# Altium PCB circuit2_pcb_ver2.PcbDoc
Units mil, origin at the board's own origin, x right, y up, seen from the top; angles counter-clockwise.
Board outline 1945 x 1950 mil, 2 copper layers (Top Layer, Bottom Layer); 30 components, 57 nets, 67 pads, 0 vias.
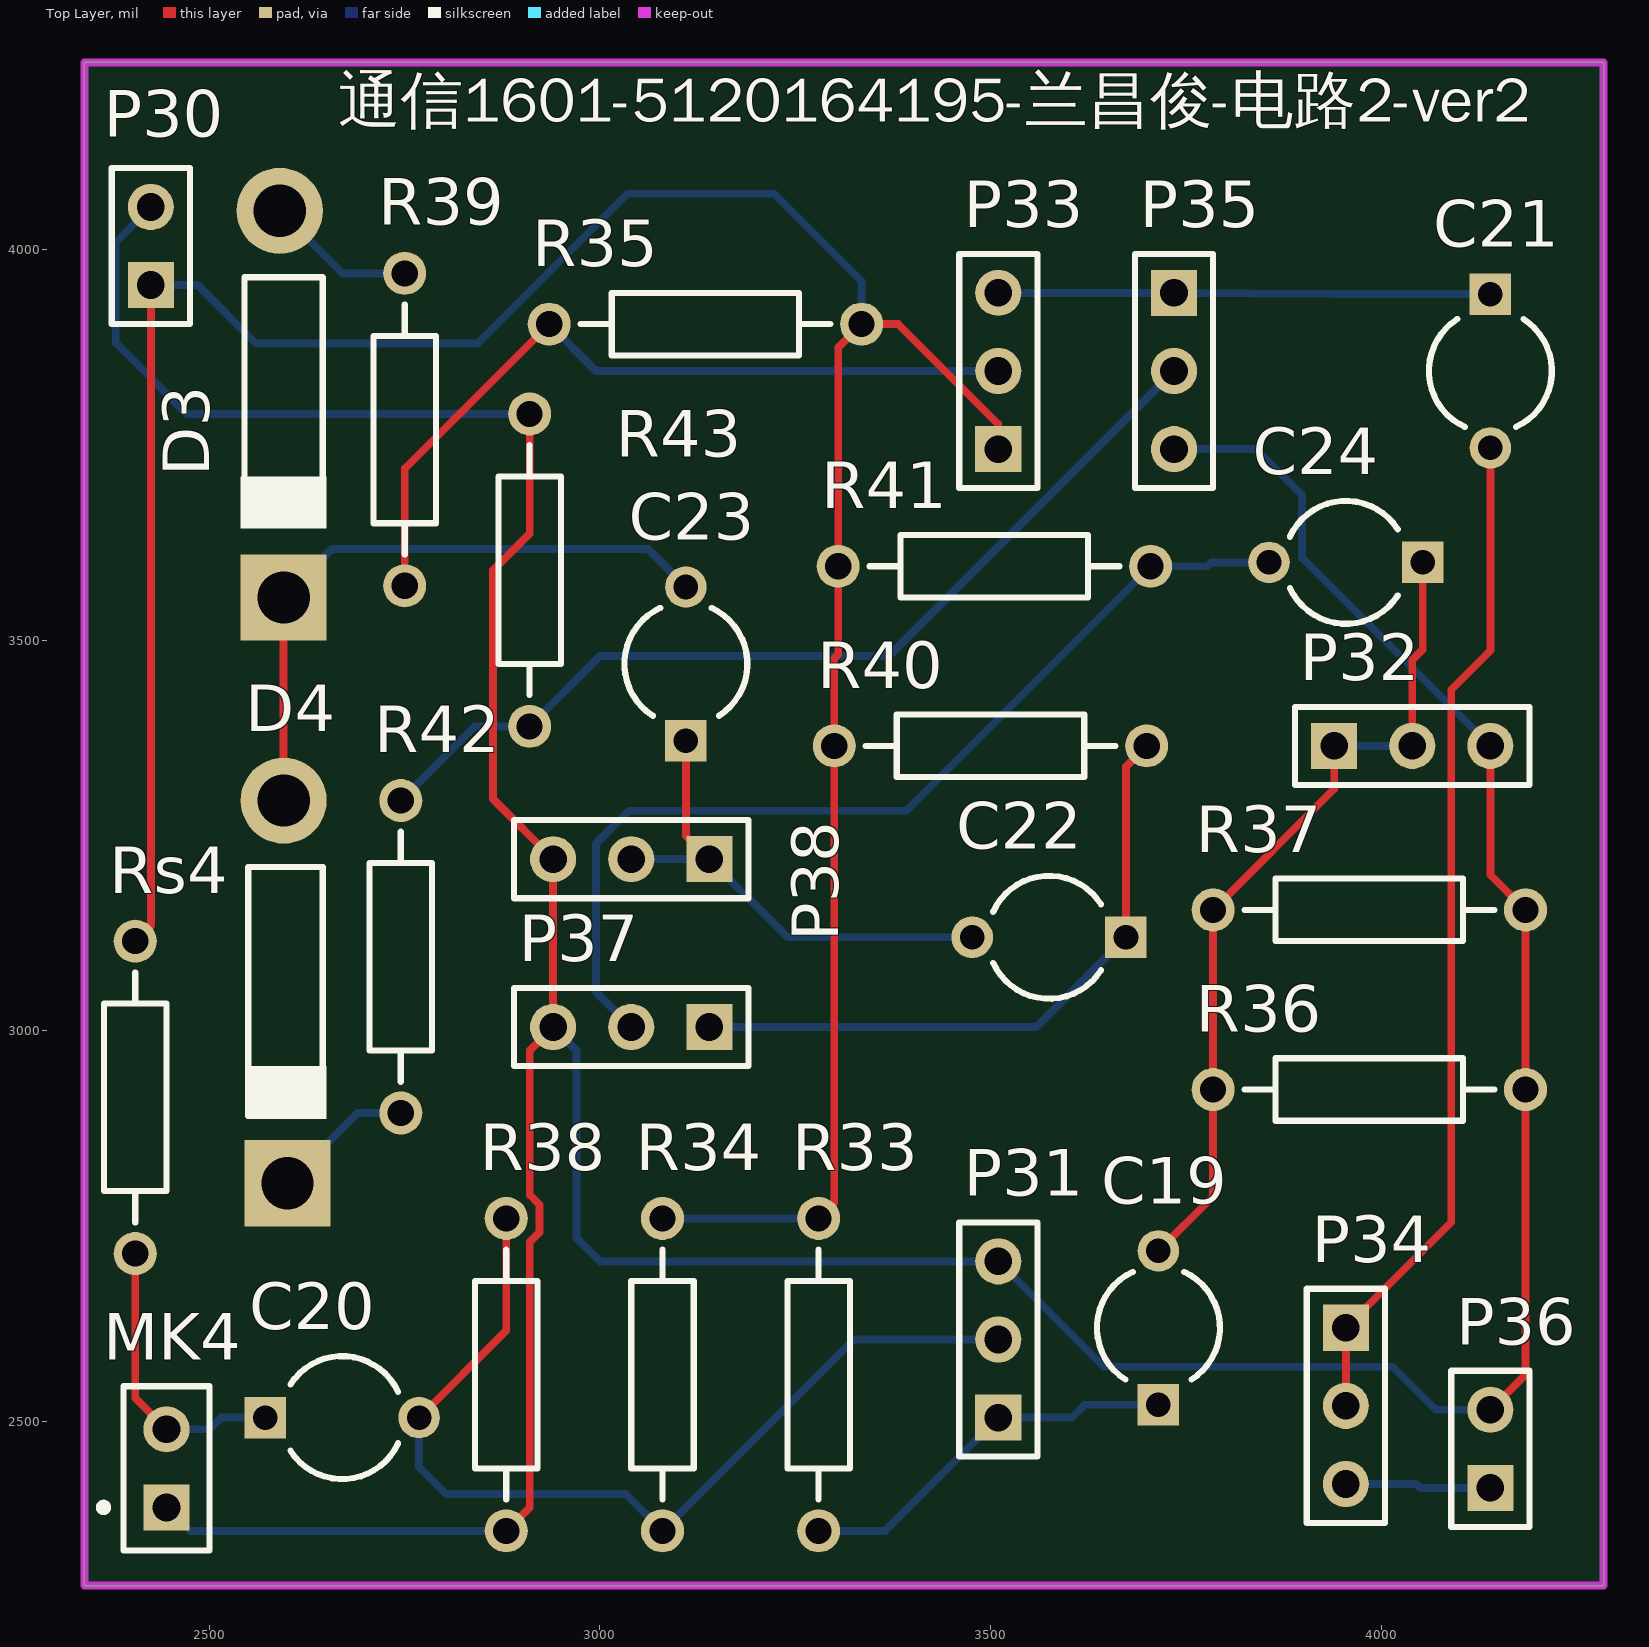
[diagram p0: Top Layer view]
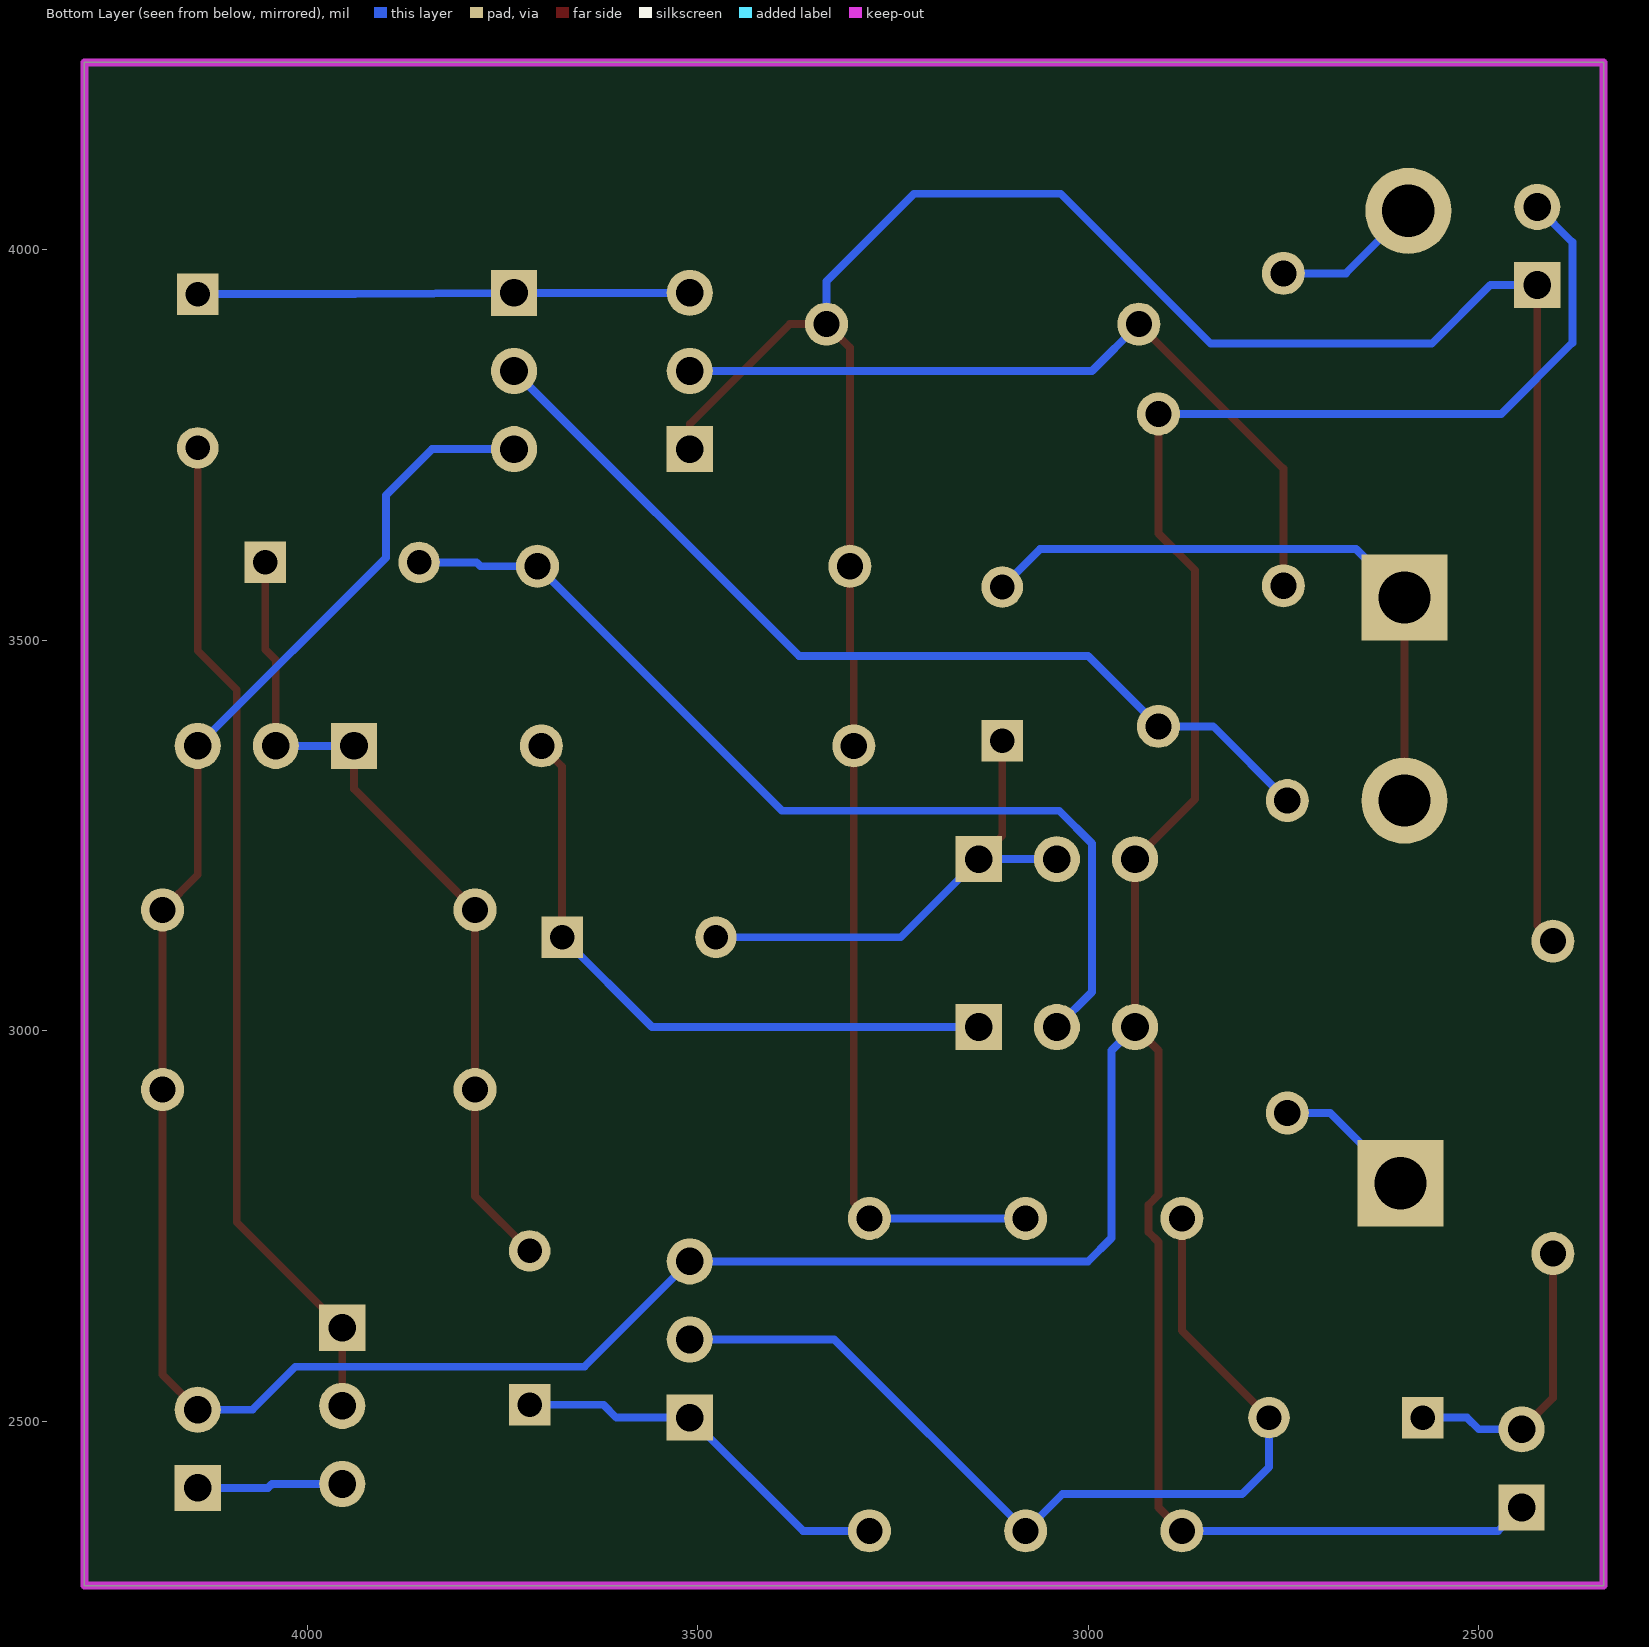
[diagram p1: Bottom Layer view, seen from below]

## Layer stack, top to bottom
Top Solder: solder mask 0.4, Solder Resist, Dk 3.5
Top Layer: signal copper 1.4
Dielectric 1: dielectric 12.6, FR-4, Dk 4.8
Bottom Layer: signal copper 1.4
Bottom Solder: solder mask 0.4, Solder Resist, Dk 3.5

## Board outline
2340,2290 4285,2290 4285,4240 2340,4240

## Design rules (kind name [scope] priority, off if disabled: settings)
Clearance [All] p1: gap=10 ignorepadtopadclearanceinfootprint=FALSE except(0: Arc-Hole Track-Hole SMDPad-Hole THPad-Hole Via-Hole Fill-Hole Poly-Hole Region-Hole Text-Hole)
PolygonConnect [All] p1: connectstyle=Relief reliefconductorwidth=10 reliefentries=4 polygonreliefangle="90 Angle" airgapwidth=10
RoomDefinition circuit2_ver2 [InComponentClass('circuit2_ver2')] p1: confinementstyle=ConfineIn formatcopy=TRUE lockcomponents=FALSE outline 2340,2290 4285,2290 4285,4240 2340,4240
RoutingVias [All] p1: holewidth=28 width=50 viastyle="Through Hole" minholewidth=28 minwidth=50 maxholewidth=28 maxwidth=50
SolderMaskExpansion [All] p1: expansion=4
Width [All] p1: maxlimit=10 minlimit=10 preferedwidth=10
30 further rules are at their usual default settings.

## Components (designator, comment, footprint, x,y, rotation, side; value= is the part's Value field where it differs from the comment)
C19 "Cap2" CAPR5-4X5 3715,2620 r90 top value=100pF
C20 "Cap2" CAPR5-4X5 2670,2505 r0 top value=100pF
C21 "Cap2" CAPR5-4X5 4140,3845 r270 top value=100pF
C22 "Cap2" CAPR5-4X5 3575,3120 r180 top value=100pF
C23 "Cap2" CAPR5-4X5 3110,3470 r90 top value=100pF
C24 "Cap2" CAPR5-4X5 3955,3600 r180 top value=100pF
D3 "Diode 1N5408" DO-201AD#1 2580,3810 r270 top
D4 "Diode 1N5408" DO-201AD#2 2660,3080 r270 top
MK4 "Mic2" PIN2 2445,2390 r90 top
P30 "Header 2" HDR1X2 2425,3955 r90 top
P31 "NPN" HDR1X3 3510,2505 r90 top
P32 "Res_var" HDR1X3 3940,3365 r0 top
P33 "NPN" HDR1X3 3510,3745 r90 top
P34 "Res_var" HDR1X3 3955,2620 r270 top
P35 "PNP" HDR1X3 3735,3945 r270 top
P36 "Speaker" HDR1X2 4140,2415 r90 top
P37 "NPN" HDR1X3 3140,3005 r180 top
P38 "Res_var" HDR1X3 3140,3220 r180 top
R33 "Res2" AXIAL-0.4 3280,2560 r90 top value=1K
R34 "Res2" AXIAL-0.4 3080,2560 r90 top value=1K
R35 "Res2" AXIAL-0.4 3135,3905 r180 top value=1K
R36 "Res2" AXIAL-0.4 3985,2925 r180 top value=1K
R37 "Res2" AXIAL-0.4 3985,3155 r180 top value=1K
R38 "Res2" AXIAL-0.4 2880,2560 r90 top value=1K
R39 "Res2" AXIAL-0.4 2750,3770 r270 top value=1K
R40 "Res2" AXIAL-0.4 3500,3365 r180 top value=1K
R41 "Res2" AXIAL-0.4 3505,3595 r180 top value=1K
R42 "Res2" AXIAL-0.4 2745,3095 r270 top value=1K
R43 "Res2" AXIAL-0.4 2910,3590 r270 top value=1K
Rs4 "Res2" AXIAL-0.4 2405,2915 r90 top value=1K

## Footprints (in the part's own frame and the unit in brackets; to place one, negate y for a bottom-side part, rotate by r counter-clockwise, add the part's x,y. Pads: shape width x height; smd on the part's side, far side on the other; paste and mask are expansions set on the pad)
AXIAL-0.4 [mm] "Axial Device, Thru-Hole; 2 Leads; 0.4 in Pin Spacing"
  round 1.4 hole 0.85: 1(-5.08,0) 2(5.08,0)
  silkscreen extent -4.06,-1.02 4.06,1.02
CAPR5-4X5 [mm] "Capacitor; 2 Leads"
  rect 1.35x1.35 hole 0.8: 1(-2.5,0)
  round 1.35 hole 0.8: 2(2.5,0)
  silkscreen extent -1.69,-2 1.82,2
DO-201AD#1 [mm] "Diode, Axial; Body 9.5 x 5.6 mm (LxDia. max), Lead Dia. 1.32 mm (max)"
  round 2.8 hole 1.7: 1(-6.096,0.254)
  rect 2.8x2.8 hole 1.7: 2(6.477,0.381)
  silkscreen extent -3.94,-1.02 4.23,1.78
DO-201AD#2 [mm] "Diode, Axial; Body 9.5 x 5.6 mm (LxDia. max), Lead Dia. 1.32 mm (max)"
  round 2.8 hole 1.7: 1(-5.461,-1.651)
  rect 2.8x2.8 hole 1.7: 2(6.985,-1.524)
  silkscreen extent -3.3,-2.8 4.9,-0.25
HDR1X2 [mm] "Connector; Header; 2 Position"
  rect 1.5x1.5 hole 0.9: 1(0,0)
  round 1.5 hole 0.9: 2(2.54,0)
  silkscreen extent -1.27,-1.27 3.81,1.27
HDR1X3 [mm] "Connector; Header; 3 Position"
  rect 1.5x1.5 hole 0.9: 1(0,0)
  round 1.5 hole 0.9: 2(2.54,0) 3(5.08,0)
  silkscreen extent -1.27,-1.27 6.35,1.27
PIN2 [mm] "Photosensitive Diode; 2 Leads"
  rect 1.5x1.5 hole 0.9: 1(0,0)
  round 1.5 hole 0.9: 2(2.54,0)
  silkscreen extent -1.4,-1.4 3.94,2.17

## Part data
C19 C20 C21 C22 C23 C24: "Capacitor", PackageDescription="Capacitor; 2 Leads", PackageReference=CAPR5-4X5, Published=23-Sep-2002, Publisher="Altium Limited"
D3 D4: "3 Amp Medium Power Silicon Rectifier Diode", ComponentLink1Description="Manufacturer Link", ComponentLink1URL=http://www.irf.com/, DatasheetVersion=Aug-1984, LatestRevisionDate=17-Jul-2002, LatestRevisionNote="Re-released for DXP Platform.", PackageDescription="Diode, Axial; Body 9.5 x 5.3 mm (LxDia. max), Lead Dia. 1.32 mm (max)", PackageReference=DO-201AD, Published=8-Jun-2000, Publisher="Altium Limited"
MK4: "Microphone", LatestRevisionDate=17-Jul-2002, LatestRevisionNote="Re-released for DXP Platform.", PackageReference=PIN2, Published=24-Mar-1999, Publisher="Altium Limited"
P30: "Header, 2-Pin", LatestRevisionDate=17-Jul-2002, LatestRevisionNote="Re-released for DXP Platform.", Publisher="Altium Limited"
P31 P32 P33 P34 P35 P37 P38: library part "Header 3", "Header, 3-Pin", LatestRevisionDate=17-Jul-2002, LatestRevisionNote="Re-released for DXP Platform.", Publisher="Altium Limited"
P36: library part "Header 2", "Header, 2-Pin", LatestRevisionDate=17-Jul-2002, LatestRevisionNote="Re-released for DXP Platform.", Publisher="Altium Limited"
R33 R34 R35 R36 R37 R38 R39 R40 R41 R42 R43 Rs4: "Resistor", LatestRevisionDate=17-Jul-2002, LatestRevisionNote="Re-released for DXP Platform.", PackageDescription="Axial Device, Thru-Hole; 2 Leads; 0.4 in Pin Spacing", PackageReference=AXIAL-0.4, Published=8-Jun-2000, Publisher="Altium Limited"

## Nets (pads, with @x,y where several pads share a name; then routed paths per layer and width w, separated by ;. In a path a pad name is that pad's centre, name@x,y a point inside that pad or via, vN(x,y) a via of type N, cw(c..) or ccw(c..) an arc to the next point about the centre after c; other vN are vias at no path point)
GND: MK4.1 P30.2 P31.3 P32.3 P35.3 P36.2 P37.3 P38.3 R36.1 R37.1 R38.1 R43.1 | length 5764.5
  Top Layer w10: R38.1 2910,2390 2910,2729.81 2922.56,2742.37 2922.56,2777.63 2910,2790.19 2910,2975 P37.3 P38.3 2863,3297 2863,3590 2910,3637 R43.1 ; P36.2 4185,2560 R36.1 R37.1 4140,3200 P32.3
  Bottom Layer w10: P30.2 2380,4010 2380,3881 2471,3790 R43.1 ; MK4.1 2475,2360 R38.1 ; P37.3 2970,2975 2970,2735 3000,2705 P31.3 3645,2570 4015,2570 4070,2515 P36.2 ; P35.3 3840,3745 3899,3686 3899,3606 P32.3
mic1_input: 
mic2_input: 
mic3_input: C20.1 MK4.2 Rs4.1 | length 374.4
  Top Layer w10: Rs4.1 2405,2530 MK4.2
  Bottom Layer w10: MK4.2 2500,2490 2515,2505 C20.1
mic_input: 
mid1_out0: 
mid1_out1: P30.1 P33.1 R33.2 R34.2 R35.1 R40.2 R41.2 Rs4.2 | length 3598.1
  Top Layer w10: Rs4.2 2425,3135 P30.1 ; R33.2 3300,2780 R40.2 3300,3477 3305,3482 R41.2 3305,3875 R35.1 3382,3905 3510,3777 P33.1
  Bottom Layer w10: P30.1 2485,3955 2560,3880 2843,3880 3035,4072 3223,4072 3335,3960 R35.1 ; R34.2 R33.2
mid1_out2: 
mid2_out1: 
mid3_out1: C23.2 D3.2 D4.1 | length 820.8
  Top Layer w10: D4.1 D3.2
  Bottom Layer w10: D3.2 2657,3617 3061.43,3617 C23.2
mid_out2: 
NetC1_1: 
NetC2_2: 
NetC3_1: 
NetC3_2: 
NetC4_1: 
NetC5_2: 
NetC6_1: 
NetC8_1: 
NetC8_2: 
NetC9_2: 
NetC10_1: 
NetC11_2: 
NetC12_1: 
NetC13_1: 
NetC14_2: 
NetC15_1: 
NetC15_2: 
NetC16_1: 
NetC16_2: 
NetC18_2: 
NetC19_1: C19.1 P31.1 R33.1 | length 501.9
  Bottom Layer w10: R33.1 3365,2360 P31.1 3604,2505 3620.57,2521.57 C19.1
NetC20_2: C20.2 P31.2 R34.1 R38.2 | length 1241.5
  Top Layer w10: C20.2 2880,2616.57 R38.2
  Bottom Layer w10: C20.2 2768.43,2441.57 2803,2407 3033,2407 R34.1 3325,2605 P31.2
NetC21_1: C21.1 P33.3 P35.1 | length 630
  Bottom Layer w10: P33.3 P35.1 3938.57,3943.43 C21.1
NetC21_2: C21.2 P34.1 P34.2 | length 1303.2
  Top Layer w10: P34.2 P34.1 4090,2755 4090,3437 4140,3487 C21.2
NetC22_1: C22.1 P37.1 R40.1 | length 837.1
  Top Layer w10: C22.1 3673.43,3338.43 R40.1
  Bottom Layer w10: P37.1 3558.43,3005 C22.1
NetC22_2: C22.2 C23.1 P38.1 P38.2 | length 642
  Top Layer w10: C23.1 3110,3250 P38.1
  Bottom Layer w10: P38.2 P38.1 3240,3120 C22.2
NetC24_2: C24.2 P37.2 R41.1 | length 1264.3
  Bottom Layer w10: P37.2 2995,3050 2995,3240 3037,3282 3392,3282 R41.1 3778,3595 3783,3600 C24.2
NetD1_1: 
NetD2_2: 
NetD3_1: D3.1 R39.1 | length 193.1
  Bottom Layer w10: D3.1 2670,3970 R39.1
NetD4_2: D4.2 R42.2 | length 182.3
  Bottom Layer w10: D4.2 2690,2895 R42.2
NetP4_1: 
NetP5_2: 
NetP6_3: 
NetP10_2: 
NetP13_3: 
NetP14_2: 
NetP24_2: 
NetP25_3: 
NetP33_2: P33.2 R35.2 R39.2 | length 1011.5
  Top Layer w10: R39.2 2750,3720 R35.2
  Bottom Layer w10: R35.2 2995,3845 P33.2
NetP34_3: P34.3 P36.1 | length 187.1
  Bottom Layer w10: P34.3 4045,2420 4050,2415 P36.1
NetP35_2: P35.2 R42.1 R43.2 | length 1217.8
  Bottom Layer w10: R42.1 2840,3390 R43.2 3000,3480 3370,3480 P35.2
reverse1_out: 
reverse2_out: 
reverse3_out: C19.2 C24.1 P32.1 P32.2 R36.2 R37.2 | length 1080.3
  Top Layer w10: C19.2 3785,2788.43 R36.2 R37.2 3940,3310 P32.1 ; P32.2 4040,3475 4053.43,3488.43 C24.1
  Bottom Layer w10: P32.1 P32.2
reverse_out: 

## Keep-outs
Keep-Out Layer:
  the board outline again, w10

## Silkscreen, mask and mechanical layers (free items; w line width, h text height)
Top Overlay:
  text "通信1601-5120164195-兰昌俊-电路2-ver2" at 2665,4145 h100